# Altium PCB FMC_ADC_250M_16B_4ch_pcb.PcbDoc (part 5 of 8) (continued)
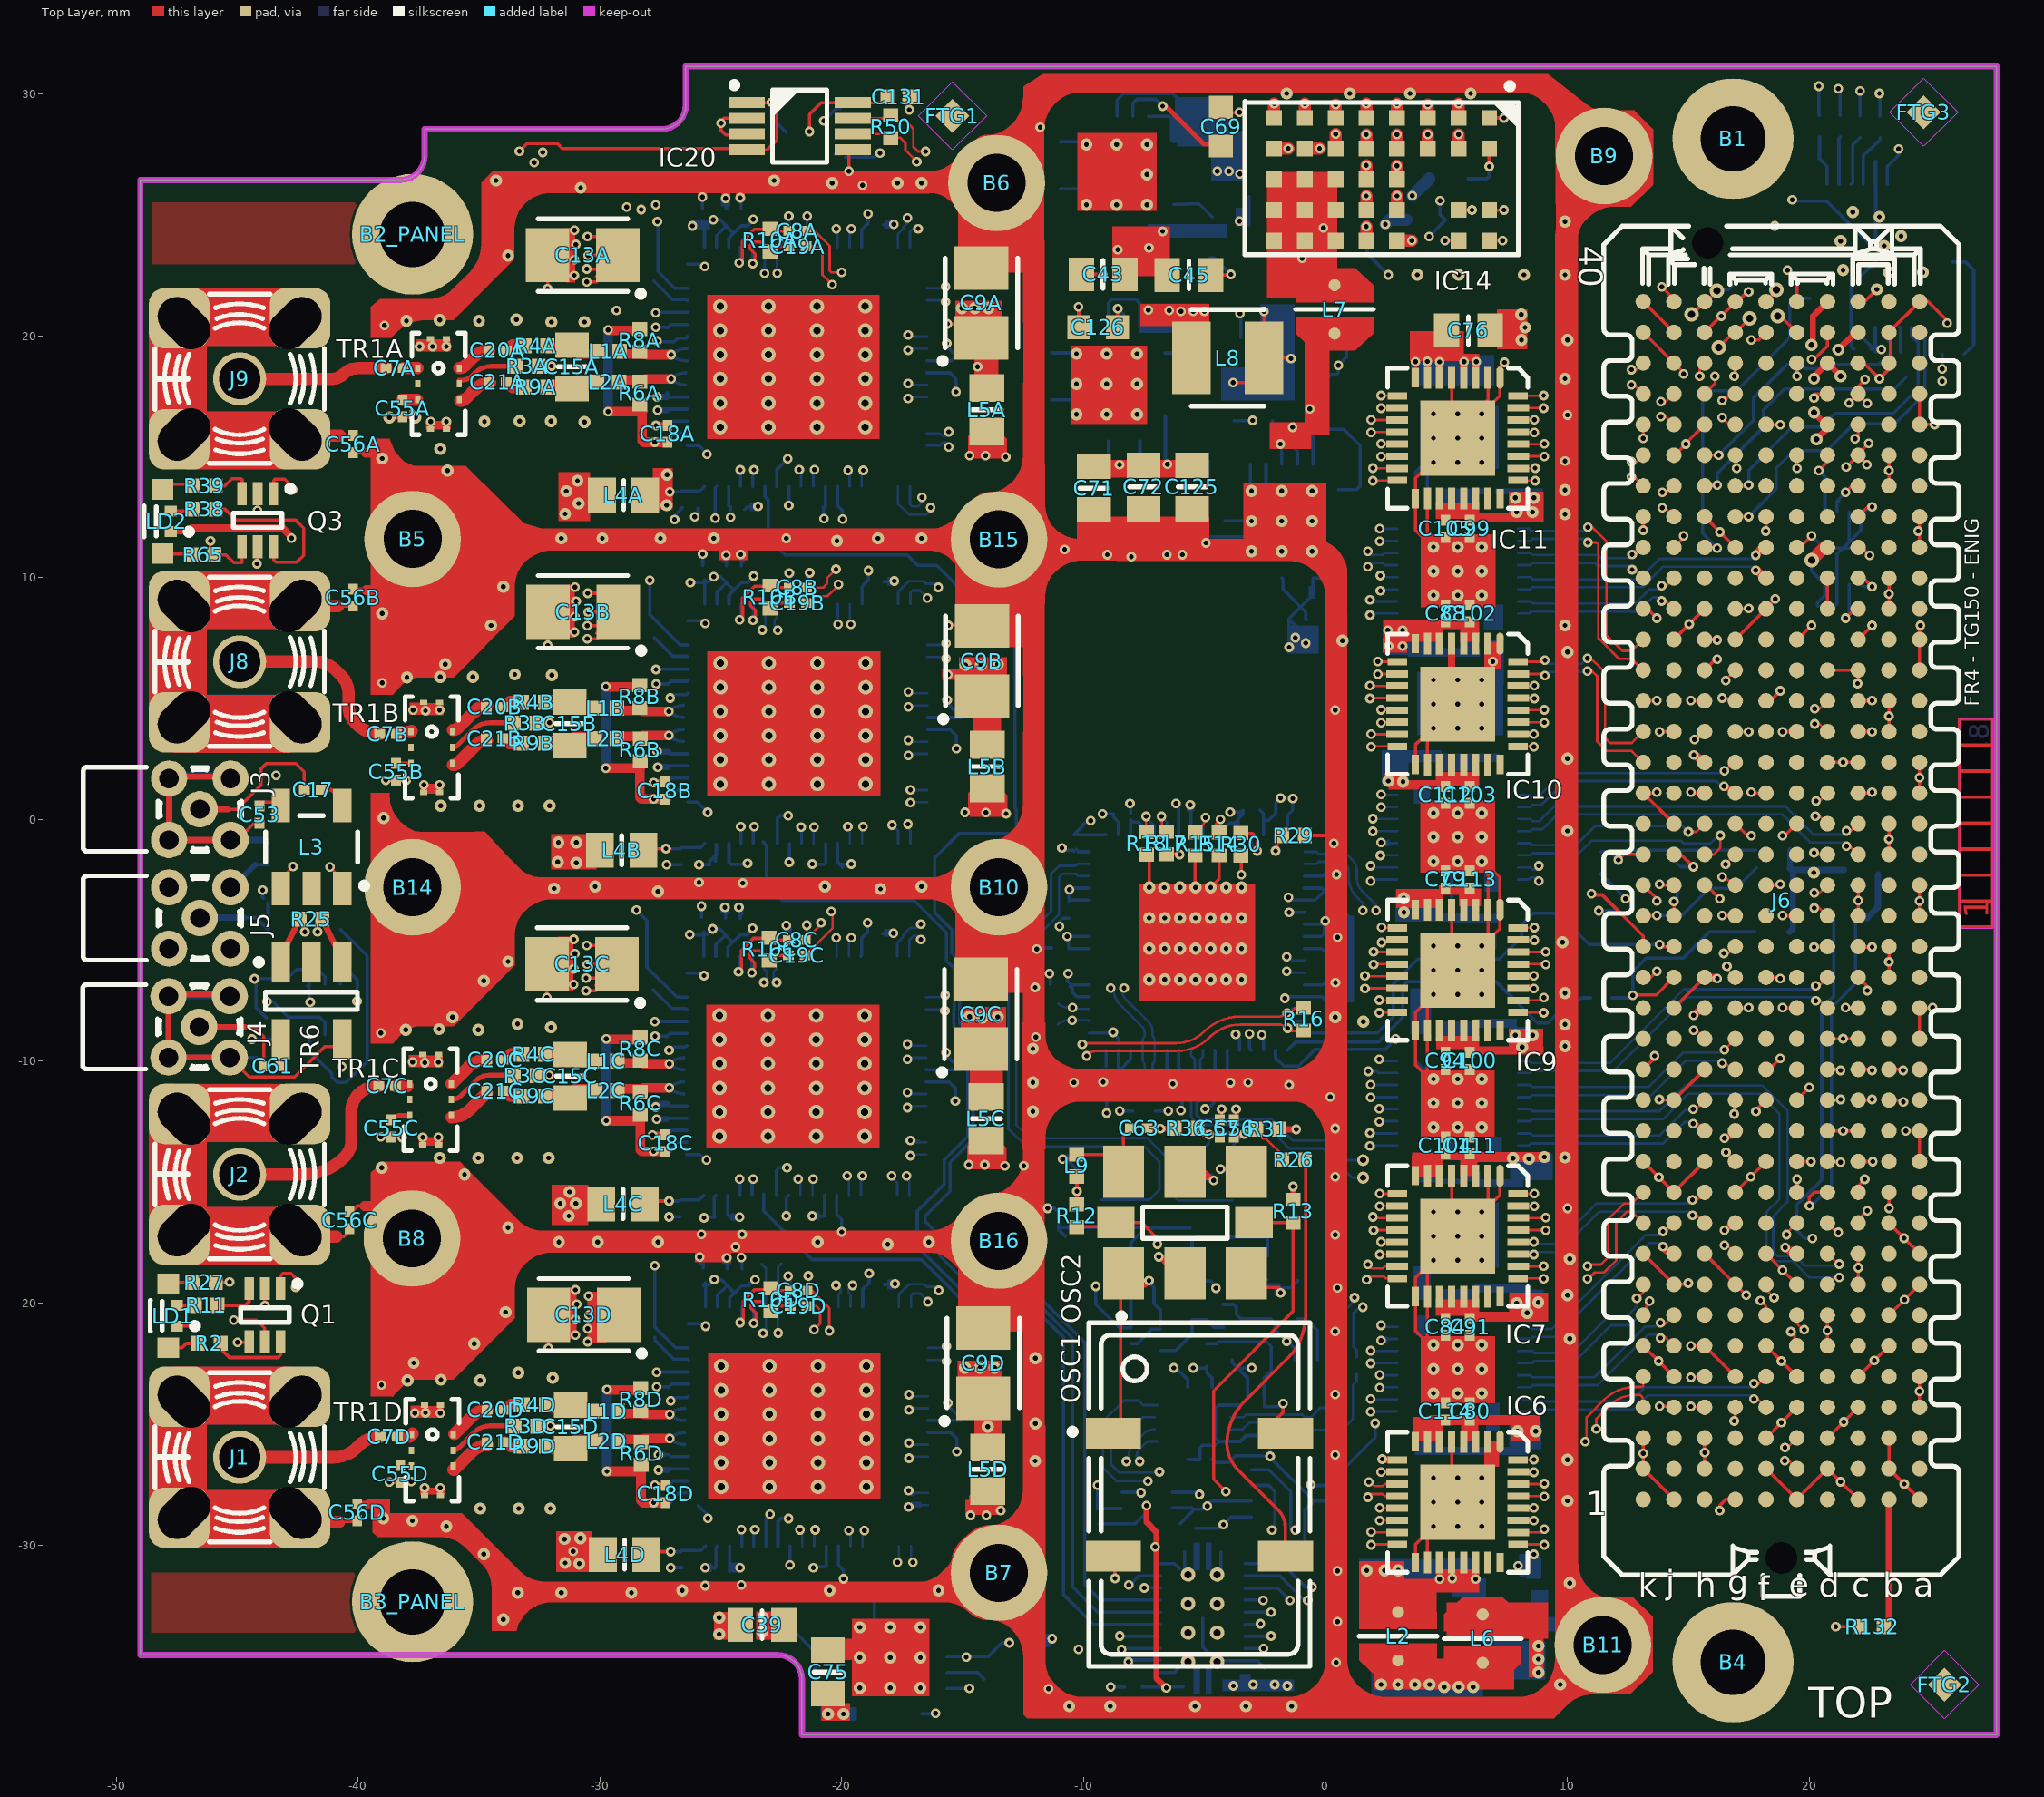
[diagram p0: Top Layer view]
## Nets (pads, with @x,y where several pads share a name; then routed paths per layer and width w, separated by ;. In a path a pad name is that pad's centre, name@x,y a point inside that pad or via, vN(x,y) a via of type N, cw(c..) or ccw(c..) an arc to the next point about the centre after c; other vN are vias at no path point) (continued)
  Bottom Layer w0.135: J5.2@-45.274,-2.805 J5.2@-45.18,-2.805 ; v1(-44.388,-9.079) v1@-44.375,-9.092 ; v1@-44.363,-9.079 -44.341,-9.1 -43.58,-9.1 -43.501,-9.179 -43.346,-9.179 -43.263,-9.262 R28.2@-43.263,-10.008 ; -44.247,-1.872 R24.2@-43.713,-1.872 ; Q2.4@-42.094,-6.875 -42.019,-6.8 -42.019,-7.511 v1(-41.975,-7.555) ; Q2.1@-40.719,-8.9 -40.719,-10.081 v1@-40.705,-10.095 ; v1(-27.821,-13.048) v1@-27.781,-13.008 ; v1@-27.775,1.559 v1(-27.775,1.525) v1@-27.75,1.55 ; v1(-27.722,-8.36) -27.713,-8.35 IC1C.14@-26.403,-8.35 ; v1@-27.7,-11.897 v1(-27.689,-11.897) ; v1(-27.694,20.961) -27.684,20.971 IC1A.14@-26.375,20.971 ; v1(-27.68,6.207) -27.67,6.217 IC1B.14@-26.361,6.217 ; v1(-27.68,16.294) v1@-27.661,16.313 ; v1(-27.652,-22.86) -27.643,-22.85 IC1D.14@-26.333,-22.85 ; v1(-27.635,19.787) -27.61,19.761 -26.924,19.761 -26.773,19.912 -26.433,19.912 IC1A.12@-26.375,19.971 ; v1(-27.575,-26.275) v1@-27.575,-26.167 ; C5D.1@-27.271,-26.269 -27.144,-26.269 -27.063,-26.35 IC1D.7@-26.333,-26.35 ; C5C.1@-27.214,-11.769 -27.133,-11.85 IC1C.7@-26.403,-11.85 ; C5A.1@-27.211,17.475 C5A.1@-27.211,17.552 ; C5A.1@-27.211,17.653 C5A.1@-27.211,17.552 ; -27.2,1.55 -27.033,1.717 IC1B.5@-26.361,1.717 ; -27.183,-13.008 -27.026,-12.85 IC1C.5@-26.403,-12.85 ; C5B.1@-27.172,2.798 -27.091,2.717 IC1B.7@-26.361,2.717 ; -27.155,16.313 -26.997,16.471 IC1A.5@-26.375,16.471 ; v1(-27.135,-9.541) -27.095,-9.541 -27.095,-9.459 -27.044,-9.409 -26.462,-9.409 IC1C.12@-26.403,-9.35 ; -27.113,-27.508 -26.956,-27.35 IC1D.5@-26.333,-27.35 ; v1(-27.093,5.026) -27.052,5.026 -27.052,5.108 -27.001,5.158 -26.419,5.158 IC1B.12@-26.361,5.217 ; v1@-27.082,-16.431 C24C.1@-26.681,-16.431 ; v1(-27.065,-24.041) -27.025,-24.041 -27.025,-23.959 -26.974,-23.909 -26.392,-23.909 IC1D.12@-26.333,-23.85 ; -27.039,-1.865 C24B.1@-26.638,-1.865 ; v1@-27.012,-30.931 C24D.1@-26.611,-30.931 ; v1@-26.964,12.511 -26.585,12.889 C24A.1@-26.653,12.889 ; IC1A.7@-26.375,17.471 -27.105,17.471 -27.186,17.552 C5A.1@-27.211,17.552 ; v1@-25.936,12.534 C6A.1@-25.936,12.864 ; v1(-25.871,-18.096) -25.733,-18.096 -25.722,-18.085 C2D.1@-25.722,-18.547 ; C2C.1@-25.792,-4.047 v1(-25.792,-3.585) ; v1@-25.77,-2.602 -25.739,-2.571 C6B.1@-25.465,-2.571 ; C2A.1@-25.764,25.273 v1(-25.764,25.736) ; C2B.1@-25.749,10.519 v1(-25.749,10.982) ; v1@-25.694,-17.105 -25.648,-17.15 C6C.1@-25.262,-17.15 ; v1(-25.643,-31.685) -25.612,-31.654 C6D.1@-25.236,-31.654 ; v1(-24.827,-3.635) -24.801,-3.661 C4C.1@-24.801,-4.073 ; v1(-24.798,25.685) -24.773,25.66 C4A.1@-24.773,25.248 ; v1(-24.784,10.931) -24.759,10.906 C4B.1@-24.759,10.494 ; v1(-24.757,-18.135) -24.731,-18.161 C4D.1@-24.731,-18.573 ; C133C.1@-24.627,-17.15 -24.201,-17.15 v1@-24.195,-17.156 ; C133D.1@-24.601,-31.654 -24.15,-31.654 v1(-24.144,-31.659) ; C133B.1@-24.525,-2.545 -24.15,-2.545 v1@-24.093,-2.602 ; v1(-24.246,-3.639) -24.217,-3.61 -24.192,-3.635 C3C.1@-24.192,-4.073 ; v1(-24.189,25.711) -24.163,25.685 C3A.1@-24.163,25.248 ; v1(-24.175,10.957) -24.149,10.931 C3B.1@-24.149,10.494 ; v1(-24.147,-18.11) -24.122,-18.135 C3D.1@-24.122,-18.573 ; C133A.1@-24.011,12.813 C133A.1@-23.89,12.935 -23.467,12.935 v1(-23.458,12.943) ; v1(-22.29,-16.394) -22.29,-15.637 IC1C.65@-22.203,-15.55 ; v1(-22.29,-4.38) -22.218,-4.38 -22.211,-4.372 -22.203,-4.379 IC1C.26@-22.203,-5.65 ; v1(-22.214,-18.883) -22.152,-18.883 -22.141,-18.872 -22.133,-18.879 IC1D.26@-22.133,-20.15 ; v1(-22.182,12.985) -22.175,12.993 IC1A.65@-22.175,13.771 ; v1(-22.182,24.949) -22.175,24.942 IC1A.26@-22.175,23.671 ; v1(-22.168,-1.769) -22.161,-1.761 IC1B.65@-22.161,-0.983 ; v1(-22.168,10.195) -22.161,10.188 IC1B.26@-22.161,8.917 ; v1(-22.141,-30.835) -22.133,-30.828 IC1D.65@-22.133,-30.05 ; v1(-20.741,28.894) -20.245,29.39 D1.1@-20.051,29.39 ; IC1C.61@-20.203,-15.55 -20.203,-16.336 -20.001,-16.539 -20.001,-16.843 ; IC1A.61@-20.175,13.771 -20.175,12.985 -19.972,12.782 v1@-19.972,12.477 ; IC1B.61@-20.161,-0.983 -20.161,-1.769 C11B.1@-19.958,-1.972 ; IC1D.61@-20.133,-30.05 -20.133,-30.836 -19.931,-31.039 v1@-19.931,-31.343 ; C11B.1@-20.04,-1.845 v1(-19.603,-1.845) ; v1(-19.14,26.227) -19.115,26.253 C132.2@-19.115,26.69 ; IC24.7@-18.644,-32.275 -18.644,-33.325 -17.994,-33.975 IC24.21@-17.994,-34.625 ; C10C.1@-18.305,-4.728 v1@-17.893,-4.728 ; C10A.1@-18.276,24.593 -17.864,24.593 v1(-17.839,24.619) ; C10B.1@-18.262,9.839 -17.85,9.839 v1(-17.825,9.865) ; C10D.1@-18.235,-19.228 -17.823,-19.228 v1(-17.797,-19.202) ; IC24.10@-16.694,-32.275 -14.619,-32.275 B7.1@-13.494,-31.15 ; IC1C.45@-16.503,-10.35 -15.082,-10.35 -15.683,-9.75 v1(-15.683,-9.63) ; IC1A.45@-16.475,18.971 -15.448,18.971 -15.251,19.168 -15.654,19.571 v1(-15.654,19.691) ; IC1B.45@-16.461,4.217 -15.04,4.217 -15.64,4.817 v1(-15.64,4.937) ; IC1D.45@-16.433,-24.85 -15.012,-24.85 -15.613,-24.25 v1(-15.613,-24.13) ; v1(-12.471,-14.326) -12.027,-14.326 C59.1@-11.773,-14.58 ; C41.2@-12.143,-35.952 v1(-11.444,-35.952) ; C74.2@-12.119,-34.25 -11.669,-34.25 v1(-11.294,-33.875) ; v1(-12.003,-6.942) -11.979,-6.918 R19.2@-11.979,-7.479 ; R20.2@-11.979,-8.479 -11.979,-9.001 v1(-11.978,-9.003) ; v1(-11.938,-5.359) -11.978,-5.32 -11.971,-5.313 C28.1@-11.322,-5.313 ; v1(-11.481,-16.078) -11.201,-16.078 -11.024,-16.256 J7.2@-11.024,-16.969 ; C37.1@-11.379,-6.807 v1@-11.379,-6.479 ; IC16.7@-11.316,17.346 -11.301,17.361 -9.601,17.361 IC16.21@-8.966,17.996 -10.266,19.296 IC16.10@-11.316,19.296 ; v1(-10.998,-4.42) -10.998,-4.242 -11.006,-4.234 -10.85,-4.078 C34.1@-10.6,-4.078 ; IC25.7@-10.961,26.084 -10.95,26.073 -10.084,26.073 -9.423,26.734 IC25.21@-8.89,26.734 ; IC25.10@-10.961,28.034 -10.19,28.034 IC25.21@-8.89,26.734 ; J7.2@-10.746,-17.247 J7.2@-11.024,-16.969 ; v1(-9.703,-0.051) -9.855,-0.051 -10.033,-0.229 -10.033,-0.264 C32.1@-10.394,-0.625 IC2.49@-9.067,-0.625 ; v1(-9.5,-19.304) -9.5,-20.041 -8.515,-21.025 -8.044,-21.025 -8.044,-17.494 J7.2@-7.796,-17.247 -7.44,-16.891 -5.588,-16.891 -5.613,-16.866 -10.92,-16.866 J7.2@-11.024,-16.969 ; v1(-9.423,-27.534) -9.423,-28.478 C129.1@-9.441,-28.495 IC19.2@-8.441,-28.495 ; IC25.21@-9.266,27.417 -8.616,26.767 IC25.21@-7.316,28.067 ; v1(-9.22,0.229) C48.1@-8.757,0.229 -8.757,0.096 -8.558,-0.104 IC2.50@-8.558,-0.634 ; C27.1@-9.188,-10.342 -9.188,-10.852 v1(-9.184,-10.857) ; C27.1@-9.058,-10.211 IC2.32@-9.058,-9.534 ; v1(-9.017,10.947) -9.017,10.897 v1@-8.986,10.866 ; v1(-8.879,-35.876) C25.2@-8.289,-35.876 ; IC25.21@-8.611,26.734 IC25.21@-8.89,26.734 ; v1(-8.497,-12.052) R21.2@-7.958,-12.052 ; R23.2@-7.044,-12.052 v1(-6.492,-12.052) ; IC18.2@-6.819,-35.281 -6.252,-35.281 IC18.25@-5.983,-35.012 ; IC18.11@-6.819,-30.781 -6.227,-30.781 IC18.25@-6.034,-30.974 ; IC2.27@-6.558,-9.534 -6.558,-10.328 C50.1@-6.623,-10.393 -6.623,-10.623 v1(-6.313,-10.933) ; v1(-6.553,10.947) -6.553,10.897 v1@-6.548,10.891 ; v1(-6.172,0.66) -6.058,0.546 IC2.55@-6.058,-0.634 ; v1(-5.918,10.947) v1@-5.898,10.927 ; IC18.12@-5.819,-30.281 -5.819,-31.062 IC18.25@-5.755,-31.126 ; IC4.15@-5.686,-26.468 IC4.14@-5.186,-26.468 -5.186,-25.988 -5.08,-25.883 -4.558,-25.883 -4.4,-25.725 ; J10.2@-5.512,-17.448 C65.1@-5.512,-19.088 -4.737,-19.088 -4.521,-19.304 v1(-4.521,-19.38) ; C130.1@-5.354,-29.312 -4.369,-29.312 -3.896,-28.839 IC26.1@-3.068,-28.839 ; J10.2@-5.336,-17.272 J10.2@-2.386,-17.272 -2.386,-18.034 -2.667,-18.034 -2.667,-18.777 -2.928,-19.037 C64.1@-2.4,-19.037 ; IC18.25@-5.069,-33.031 -5.069,-34.231 -4.519,-34.781 -2.822,-34.781 C33.1@-2.506,-35.097 ; v1(-4.936,11.436) -4.936,11.588 -4.834,11.69 IC17.7@-4.153,11.69 -2.453,11.69 v2(-1.803,12.34) ; C44.2@-4.775,23.218 -4.586,23.218 v1(-3.912,22.543) ; IC18.25@-4.332,-31.075 -4.319,-31.062 IC18.13@-4.319,-30.281 ; IC17.8@-4.153,12.34 v2(-1.803,12.34) ; IC2.22@-4.058,-9.534 -4.058,-10.302 C26.1@-3.916,-10.444 v1@-3.916,-10.882 ; IC4.12@-4,-25.7 -4.025,-25.725 -4.4,-25.725 ; IC4.12@-3.936,-25.718 -3.519,-25.718 -3.277,-25.476 C62.1@-2.865,-25.476 ; C38.2@-3.848,-22.352 -3.848,-22.466 -3.22,-23.094 C52.2@-3.22,-23.901 -3.22,-23.945 -3.493,-24.218 IC4.9@-3.936,-24.218 -4.418,-24.218 -4.55,-24.35 -4.55,-25.575 -4.4,-25.725 ; C128.2@-3.78,16.491 -3.02,16.491 v1(-3.011,16.499) ; v1(-3.556,24.74) -3.15,25.146 C42.2@-3.15,25.756 ; v1(-3.531,20.917) -3.494,20.881 C70.2@-3.494,19.927 ; C38.2@-3.518,-22.682 v1(-3.048,-22.682) ; IC17.11@-3.103,14.69 -3.103,13.64 IC17.21@-2.453,12.99 ; C29.1@-2.698,0.381 -2.558,0.241 -2.558,-0.025 ; C64.1@-2.565,-19.241 -1.894,-19.241 -1.894,-19.375 ; IC2.62@-2.558,-0.634 -2.558,-0.025 ; IC17.12@-2.453,14.69 IC17.21@-2.453,12.99 ; v1(-1.854,0.889) -2.052,0.691 C35.1@-2.052,0.381 -2.052,0.26 -2.337,-0.025 -2.558,-0.025 ; v1(-1.85,-19.576) -1.85,-19.418 -1.894,-19.375 ; C67.1@-1.143,-19.048 -1.143,-19.093 -1.425,-19.375 -2.05,-19.375 -2.05,-19.65 -1.894,-19.65 -1.894,-19.375 ; IC2.12@-0.858,-6.834 -0.118,-6.834 C49.1@-0.025,-6.741 v1(0.416,-6.741) ; IC2.8@-0.858,-4.834 -0.15,-4.834 C47.1@-0.05,-4.734 v1@-0.05,-4.334 ; IC2.7@-0.858,-4.334 v1@-0.05,-4.334 ; IC2.3@-0.858,-2.334 -0.114,-2.334 C31.1@-0.025,-2.245 0.442,-2.245 v1(0.468,-2.272) ; C73.2@-0.268,17.907 0.227,18.403 0.457,18.403 0.533,18.479 v1(0.533,18.784) 0.875,19.125 C36.2@0.875,20.193 ; v1(0,-4.191) -0.05,-4.241 v1@-0.05,-4.334 ; v2(0.711,7.391) 0.849,7.529 C127.1@0.849,8.509 ; v1(1.694,24.517) 1.73,24.481 1.73,23.401 v1(2.606,22.525) ; IC8.17@3.721,-9.229 3.721,-9.979 IC8.0@4.221,-10.479 ; 4.202,14.823 3.721,14.341 IC13.17@3.721,12.771 3.721,11.976 IC13.0@4.253,11.444 ; IC8.18@4.221,-9.229 IC8.0@4.221,-10.479 ; IC13.0@4.456,11.368 4.221,11.603 IC13.18@4.221,12.771 4.221,14.486 v2@4.532,14.797 ; IC12.5@5.221,-3.229 5.221,-0.979 v2(5.471,-0.729) ; v2(5.471,-11.729) v2(4.471,-10.729) IC8.0@4.221,-10.479 ; v1(7.961,-30.872) 7.961,-30.923 8.368,-31.329 C123.2@8.861,-31.329 8.861,-30.578 8.673,-30.389 v1(8.622,-30.389) ; v1(14.406,-3.387) 14.554,-3.24 R44.2@14.554,-2.711 ; v1@18.513,24.486 v1(18.579,24.551) ; v1(19.306,25.625) 19.368,25.563 IC15.10@20.038,25.563 20.738,25.563 IC15.41@22.756,23.544 ; v1(20.106,11.725) 20.606,11.225 IC22.9@21.406,11.225 ; C55.1@21.056,8.825 21.156,8.925 IC22.7@21.156,9.725 21.156,10.975 IC22.9@21.406,11.225 ; IC22.3@21.656,12.725 IC22.9@21.656,11.475 ; C22.1@21.856,19.45 21.738,19.569 IC15.38@21.738,20.363 21.738,22.063 IC15.41@22.988,23.313 IC15.41@22.756,23.544 ; v1(22.506,10.925) 22.206,11.225 IC22.9@21.406,11.225 ; v1@22.506,12.925 22.306,12.725 IC22.4@22.156,12.725 22.156,11.975 IC22.9@21.656,11.475 ; IC15.15@22.738,26.263 22.738,27.206 C23.1@22.756,27.225 IC15.41@22.756,23.544 ; IC17.21@-2.453,12.99 v2(-1.803,12.34) ; IC22.9@21.406,11.225 IC22.9@21.656,11.475
  Bottom Layer w0.245: J5.2@-45.18,-2.805 -44.247,-1.872
  Bottom Layer w0.254: v1@-27.781,-13.008 -27.183,-13.008 ; v1@-27.75,1.55 -27.2,1.55 ; v1(-27.729,-27.529) -27.708,-27.508 -27.113,-27.508 ; v1@-27.706,-11.769 C5C.1@-27.214,-11.769 ; v1@-27.661,16.313 -27.155,16.313 ; v1(-27.635,17.475) C5A.1@-27.211,17.475 ; v1@-27.471,2.798 C5B.1@-27.172,2.798 ; v1@-27.444,-26.269 -27.375,-26.269
  Bottom Layer w0.508: v1(2.481,24.619) 2.659,24.796 C46.2@3.358,24.796 ; v1(3.599,25.8) R43.2@4.297,26.498
  other v1: 0.443,-34.86 0.506,-33.175 -19.926,-31.399 0.506,-31.075 -27.068,-30.937 4.471,-29.229 5.471,-29.229 6.471,-29.229 -4.216,-29.159 4.471,-28.229 5.471,-28.229 6.471,-28.229 4.471,-27.229 5.471,-27.229 6.471,-27.229 0.406,-26.275 -32.05,-25.075 -37.652,-24.542 -37.211,-24.536 0.406,-23.775 -39.029,-23.379 0.406,-21.175 0.506,-19.375 -24.394,-17.675 0.406,-17.175 -25.795,-17.156 -24.119,-17.156 -20.004,-17.054 -27.138,-16.437 10.006,-16.075 0.406,-14.775 0.406,-12.775 0.206,-11.475 -1.494,-10.975 -10.394,-10.875 -3.926,-10.882 -3.194,-10.875 -32.1,-10.575 -40.675,-10.225 -37.236,-10.058 -37.744,-10.033 -39.054,-8.825 -11.405,-6.375 0.506,-4.875 -17.867,-4.702 -24.093,-2.627 -25.897,-2.602 -27.243,-1.865 -27.635,2.819 -32.075,4 -37.211,4.496 -37.719,4.521 0.406,4.525 -39.003,5.653 6.926,6.534 -8.026,10.871 -10.784,11.165 -22.294,11.625 -26.913,12.41 -19.968,12.421 -26.075,12.511 22.606,12.925 9.906,14.825 10.006,16.725 -32,18.75 -37.452,19.558 -36.919,19.558 -38.902,20.436 25.706,20.525 -29.312,21.044 17.506,21.825 -11.794,28.625
  other v2: -10.594,-36.675 -8.894,-36.675 -5.394,-36.675 -3.294,-36.675 -1.394,-36.675 -19.247,-35.907 -17.997,-35.907 -16.747,-35.907 9.706,-35.775 -19.247,-34.657 -17.997,-34.657 -16.747,-34.657 -25.059,-33.691 -19.247,-33.407 -17.997,-33.407 -16.747,-33.407 -33.994,-33.075 -25.059,-33.006 -33.394,-31.975 -31.594,-31.975 -28.694,-31.975 -26.594,-31.875 -20.494,-31.875 -15.994,-31.875 10.106,-31.575 -34.794,-30.375 -36.347,-29.235 -37.75,-29 -38.952,-28.896 -34.952,-28.496 -33.352,-28.496 -32.052,-28.496 10.006,-28.175 -12,-26.525 10.006,-26.475 -11.994,-24.975 4.471,-23.729 5.471,-23.729 6.471,-23.729 -37.952,-23.196 -34.952,-23.196 -36.573,-23.167 -31.952,-23.096 -33.375,-22.875 4.471,-22.729 5.471,-22.729 6.471,-22.729 -37.694,-22.475 -11.994,-22.275 4.471,-21.729 5.471,-21.729 6.471,-21.729 -35.194,-21.675 10.106,-21.475 -33.894,-20.375 10.006,-19.675 4.471,-18.229 5.471,-18.229 6.471,-18.229 10.106,-18.175 -18.094,-17.575 -31.694,-17.475 -30.094,-17.475 -27.594,-17.475 -20.994,-17.475 -16.394,-17.475 4.471,-17.229 5.471,-17.229 6.471,-17.229 -33.794,-16.875 4.471,-16.229 5.471,-16.229 6.471,-16.229 -35.594,-14.675 -39.022,-14.396 -36.622,-13.996 -35.022,-13.996 -33.422,-13.996 -32.122,-13.996 9.906,-13.975 4.471,-12.729 5.471,-12.729 6.471,-12.729 -12.094,-12.075 4.471,-11.729 6.471,-11.729 -12.094,-10.875 5.471,-10.729 6.471,-10.729 -12.094,-9.475 9.906,-9.375 -38.022,-8.696 -35.022,-8.696 -36.643,-8.667 -32.022,-8.596 9.906,-8.475 -33.4,-8.45 -36.094,-8.175 0.406,-8.175 4.471,-7.229 5.471,-7.229 6.471,-7.229 9.906,-7.175 -34.794,-6.675 -7.279,-6.615 -6.644,-6.615 -6.009,-6.615 -5.374,-6.615 -4.739,-6.615 -4.104,-6.615 -3.469,-6.615 4.471,-6.229 5.471,-6.229 6.471,-6.229 -33.794,-5.875 -7.279,-5.345 -6.644,-5.345 -6.009,-5.345 -5.374,-5.345 -4.739,-5.345 -4.104,-5.345 -3.469,-5.345 4.471,-5.229 5.471,-5.229 6.471,-5.229 9.806,-5.075 -7.279,-4.075 -6.644,-4.075 -6.009,-4.075 -5.374,-4.075 -4.739,-4.075 -4.104,-4.075 -3.469,-4.075 -27.594,-2.975 -18.394,-2.875 -31.891,-2.856 -6.658,-2.816 -6.009,-2.805 -4.104,-2.805 -3.469,-2.805 -30.194,-2.775 -20.694,-2.775 -16.694,-2.775 4.471,-1.729 5.471,-1.729 6.471,-1.729 4.471,-0.729 6.471,-0.729 10.006,-0.475 -38.938,0.064 4.471,0.271 5.471,0.271 6.471,0.271 -36.579,0.571 -34.979,0.571 -33.379,0.571 -32.079,0.571 10.006,2.525 4.471,3.771 5.471,3.771 6.471,3.771 4.471,4.771 5.471,4.771 6.471,4.771 4.471,5.771 5.471,5.771 6.471,5.771 -37.979,5.871 -36.601,5.9 -35.25,5.9 -31.979,5.971 -33.511,6 -36.394,6.425 10.006,6.925 -34.494,8.025 9.906,8.025 -38.994,8.525 4.471,9.271 5.471,9.271 6.471,9.271 -33.994,9.625 4.471,10.271 5.471,10.271 6.471,10.271 -3.053,11.09 -1.803,11.09 -0.553,11.09 4.471,11.271 5.471,11.271 6.471,11.271 -20.194,11.525 -31.594,11.625 -29.894,11.625 -27.494,11.625 -25.294,11.625 -18.494,11.625 -16.694,11.625 -3.053,12.34 -0.553,12.34 9.906,12.625 -3.053,13.59 -1.803,13.59 -0.553,13.59 9.906,13.625 -36.294,14.425 4.471,14.771 5.471,14.771 6.471,14.771 -38.994,14.925 -36.594,15.325 4.471,15.771 6.471,15.771 -30.632,16.434 -34.773,16.459 -33.317,16.468 -32.017,16.468 -10.294,16.759 -9.044,16.759 -7.794,16.759 4.471,16.771 6.471,16.771 -10.294,18.009 -9.044,18.009 -7.794,18.009 9.906,18.225 -10.294,19.259 -9.044,19.259 -7.794,19.259 8.106,19.825 10.006,19.825 8.255,20.345 -32.004,20.574 -30.632,20.574 -37.994,20.625 -34.994,20.625 -36.615,20.654 -33.45,20.675 8.103,20.879 3.806,22.525 5.506,22.525 8.206,22.525 9.906,22.525 23.306,22.625 24.706,22.625 21.406,22.725 -33.794,23.325 23.106,23.725 21.306,23.925 23.806,24.125 9.906,24.725 22.906,24.925 21.806,25.125 -9.88,25.421 -8.63,25.421 -7.38,25.421 -30.794,26.125 -20.394,26.325 -17.694,26.325 -16.694,26.325 -34.294,26.425 -22.794,26.425 -7.38,26.671 -9.88,27.921 -8.63,27.921 -7.38,27.921 -1.594,30.025 1.006,30.025 3.506,30.025 6.006,30.025
HA08_N: J6.f11
HA08_P: J6.f10
HA10_N: J6.k14
HA10_P: J6.k13
HA11_N: J6.j13
HA11_P: J6.j12
HA12_P: J6.f13
HA13_N: J6.e13
HA14_N: J6.j16
HA15_N: J6.f17
HA15_P: J6.f16
HA16_N: J6.e16
HA16_P: J6.e15
HA17_CC_N: J6.k17
HA17_CC_P: J6.k16
HA19_N: J6.f20
HA19_P: J6.f19
HA20_N: J6.e19
HA20_P: J6.e18
HB01_N: J6.j25
HB01_P: J6.j24
HB02_N: J6.f23
HB02_P: J6.f22
HB03_N: J6.e22
HB03_P: J6.e21
HB04_N: J6.f26
HB04_P: J6.f25
HB05_N: J6.e25
HB05_P: J6.e24
HB07_N: J6.j28
HB07_P: J6.j27
HB08_N: J6.f29
HB08_P: J6.f28
HB09_N: J6.e28
HB09_P: J6.e27
HB13_N: J6.e31
HB13_P: J6.e30
HB16_N: J6.f35
HB16_P: J6.f34
HB19_N: J6.e34
HB19_P: J6.e33
HB20_N: J6.f38
HB20_P: J6.f37
HB21_N: J6.e37
HB21_P: J6.e36
IN1: C7D.2 J1.1 | length 6.1
  Top Layer w0.508: J1.1@-44.894,-26.375 -40.999,-26.375 ccw(c-40.999,-25.041) -40.056,-25.984 -39.967,-25.896 cw(c-39.077,-26.786) C7D.2@-39.077,-25.527
IN2: C7C.2 J2.1 | length 8.2
  Top Layer w0.508: J2.1@-44.894,-14.675 -42.259,-14.675 ccw(c-42.259,-12.285) -40.569,-13.975 ccw(c-41.296,-13.248) -40.267,-13.248 -40.267,-12.032 cw(c-39.34,-12.032) -39.996,-11.376 cw(c-39.152,-12.219) -39.152,-11.027 C7C.2@-39.147,-11.027
IN3: C7B.2 J8.1 | length 7.6
  Top Layer w0.508: J8.1@-44.894,6.525 -41.735,6.525 cw(c-41.735,5.407) -40.945,6.198 -40.686,5.939 cw(c-41.393,5.232) -40.394,5.232 -40.394,4.699 ccw(c-39.369,4.699) -40.094,3.975 -40.051,3.932 ccw(c-39.104,4.878) C7B.2@-39.104,3.54
IN4: C7A.2 J9.1 | length 6.4
  Top Layer w0.135: J9.1@-44.894,18.225 cw(c-44.727,18.058) J9.1@-44.727,18.294
  Top Layer w0.508: J9.1@-44.894,18.225 -41.037,18.225 ccw(c-41.037,18.787) -40.64,18.39 cw(c-39.965,17.715) -39.965,18.669 C7A.2@-38.831,18.669
IPTAT1: IC1D.16 R32.2 | length 101.8
  L5 w0.123: v1(-28.894,25.325) -28.894,25.792 -26.935,27.75 -21.135,27.75 -18.076,30.809 19.922,30.809 v1(20.406,30.325)
  L3 w0.127: v1(-28.894,25.325) -28.897,25.322 -28.897,-3.566 -28.9,-3.569 -28.9,-17.277 v1(-27.726,-18.451)
  Bottom Layer w0.135: v1(-27.726,-18.451) -27.726,-20.992 -26.868,-21.85 IC1D.16@-26.333,-21.85 ; v1(20.406,30.325) 20.406,29.15 R32.2@20.431,29.125
IPTAT2: IC1C.16 R33.2 | length 87.5
  L5 w0.123: v1(-28.294,25.225) -28.294,26.003 -26.821,27.475 -21.021,27.475 -17.947,30.549 19.597,30.549 20.235,29.911 21.011,29.911 21.206,30.106 v1(21.206,30.225)
  L3 w0.127: v1(-28.488,-3.745) -28.488,25.031 v1(-28.294,25.225)
  Bottom Layer w0.135: v1(-28.488,-3.745) -28.056,-4.177 -28.056,-6.107 -26.813,-7.35 IC1C.16@-26.403,-7.35 ; v1(21.206,30.225) 21.281,30.15 R33.2@21.281,29.125
IPTAT3: IC1B.16 R34.2 | length 74
  L5 w0.123: v1(-27.694,25.425) -27.694,26.214 -26.708,27.2 -20.908,27.2 -17.849,30.259 -3.528,30.259 -2.477,29.209 5.99,29.209 7.041,30.259 19.498,30.259 20.121,29.636 21.736,29.636 22.106,30.006 v1(22.106,30.125)
  L3 w0.127: v1(-27.929,9.895) -28.118,10.084 -28.118,24.801 -27.694,25.225 v1(-27.694,25.425)
  Bottom Layer w0.135: v1(-27.929,9.895) -27.929,8.472 -26.673,7.217 IC1B.16@-26.361,7.217 ; R34.2@22.106,29.1 v1(22.106,30.125)
IPTAT4: IC1A.16 R35.2 | length 59.9
  L5 w0.123: v1@-27.701,24.701 -27.517,24.701 -27.28,24.939 -27.28,26.239 -26.594,26.925 -20.794,26.925 -17.735,29.984 -3.57,29.984 -2.57,28.984 6.466,28.984 7.465,29.984 19.384,29.984 20.007,29.361 22.336,29.361 22.906,29.931 v1(22.906,30.025)
  Bottom Layer w0.135: v1@-27.701,24.701 -27.517,24.701 -27.494,24.725 -27.589,24.82 -27.599,24.82 -27.599,22.66 -26.909,21.971 IC1A.16@-26.375,21.971 ; v1(22.906,30.025) 22.931,30 R35.2@22.931,29.1
  other v1: -27.625,24.725
LA00_CC_N: J6.g7
LA00_CC_P: J6.g6
LA02_N: J6.h8
LA02_P: J6.h7
LA05_P: D3.2 J6.d11 R75.1 | length 16.4
  Top Layer w0.135: v1(20.015,-15.977) 20.015,-15.621 20.221,-15.415 J6.d11@20.761,-15.415
  Bottom Layer w0.135: v1(20.015,-15.977) 20.098,-15.977 20.925,-15.15 20.925,-7.775 21.925,-6.775 R75.1@21.925,-4.075
  Bottom Layer w0.254: R75.1@21.925,-4.075 22.4,-4.075 22.85,-3.625 D3.2@22.85,-2.275
LA15_N: J6.h20
LA15_P: J6.h19
LA24_N: J6.h29 Q1.5 | length 156.2
  Top Layer w0.135: v1(-45.136,-20.701) -44.196,-20.701 -43.855,-21.042 Q1.5@-43.855,-21.615 ; J6.h29@15.681,7.445 16.186,7.445 v1(16.206,7.425)
  L3 w0.127: v1(-45.136,-20.701) -44.45,-20.015 -44.45,-18.186 -44.723,-17.914 -44.723,-16.957 -46.387,-15.293 -46.387,-14.057 -45.422,-13.092 -45.422,-12.197 -43.16,-9.935 -43.16,-7.283 -43.384,-7.059 -43.384,-3.547 -43.104,-3.268 -43.104,-2.574 -43.384,-2.295 -43.384,0.906 -42.849,1.441 -42.849,2.133 -43.028,2.311 -43.838,2.311 -45.008,3.482 -45.008,4.528 -46.387,5.907 -46.387,7.185 -45.412,8.159 -45.412,16.582 -46.428,17.597 -46.428,18.852 -44.98,20.3 -44.98,21.692 -43.863,22.808 -40.358,22.808 -39.839,22.29 -36.46,22.29 -31.42,27.33 -23.945,27.33 -21.226,30.049 -7.017,30.049 -7.013,30.053 -3.411,30.053 -2.303,28.945 6.193,28.945 7.113,29.866 11.984,29.866 15.625,26.225 22.701,26.225 26.577,22.349 26.577,7.396 26.306,7.125 16.806,7.125 16.506,7.425 v1(16.206,7.425)
LA24_P: J6.h28 Q2.2 | length 143
  Top Layer w0.135: J6.h28@15.681,6.175 16.131,6.625 v1(16.206,6.625)
  L3 w0.127: -7.113,30.281 -3.316,30.281 -2.242,29.207 6.132,29.207 7.206,30.281 19.056,30.281 26.856,22.481 26.856,6.675 26.528,6.346 16.485,6.346 v1(16.206,6.625)
  L3 w0.135: v1(-43.761,-7.532) -43.852,-7.441 -43.852,-3.353 -43.573,-3.074 -43.573,-2.768 -43.852,-2.489 -43.852,1.993 -45.241,3.381 -45.241,4.432 -46.619,5.81 -46.619,7.281 -45.695,8.205 -45.695,16.535 -46.66,17.501 -46.66,18.948 -45.212,20.396 -45.212,21.788 -43.937,23.063 -40.284,23.063 -39.751,22.53 -36.549,22.53 -31.516,27.562 -24.041,27.562 -21.322,30.281 -7.113,30.281
  Bottom Layer w0.135: v1(-43.761,-7.532) -43.704,-7.475 -43.581,-7.475 -42.881,-8.175 -41.594,-8.175 -41.369,-8.4 Q2.2@-41.369,-8.9
LA28_N: IC15.2 J6.h32 | length 14.1
  Top Layer w0.135: J6.h32@15.681,11.255 16.276,11.255 16.246,11.225 v1(16.206,11.225)
  Bottom Layer w0.135: v1(16.206,11.225) 15.606,11.825 15.606,17.425 15.906,17.725 17.006,17.725 19.206,19.925 19.206,21.325 19.444,21.563 IC15.2@20.038,21.563
LA28_P: J6.h31
LA29_N: J6.g31
LA29_P: J6.g30 Q1.2 | length 151.8
  Top Layer w0.135: Q1.2@-43.855,-19.515 Q1.2@-43.852,-19.512 ; Q1.2@-43.852,-19.4 Q1.2@-43.852,-19.512 ; v1(-43.85,-20.1) -43.852,-20.098 Q1.2@-43.852,-19.512 ; Q1.2@-43.84,-19.5 Q1.2@-43.852,-19.512 ; J6.g30@16.951,8.715 17.596,8.715 17.586,8.725 v1(17.506,8.725)
  L3 w0.127: -43.852,-19.037 -43.852,-20.098 v1(-43.85,-20.1) ; -43.85,-19.029 -43.85,-18.431 -44.475,-17.805 -44.475,-16.882 -46.158,-15.199 -46.158,-14.151 -45.418,-13.41 -45.414,-13.41 -45.194,-13.19 -45.194,-12.291 -42.932,-10.029 -42.932,-7.189 -43.155,-6.966 -43.155,-3.641 -42.876,-3.362 -42.876,-2.48 -43.155,-2.201 -43.155,0.813 -42.621,1.346 -42.621,2.235 -42.977,2.591 -43.764,2.591 -44.78,3.607 -44.78,4.623 -46.158,6.001 -46.158,7.091 -45.184,8.065 -45.184,16.676 -46.199,17.691 -46.199,18.758 -44.752,20.206 -44.752,21.597 -43.78,22.569 -40.441,22.569 -39.919,22.047 -36.37,22.047 -31.315,27.102 -23.851,27.102 -21.132,29.821 -7.566,29.821 -6.882,29.138 -4.088,29.138 -3.667,28.717 6.299,28.717 7.01,29.428 12.099,29.428 15.531,25.997 22.535,25.997 26.298,22.233 26.298,8.117 25.791,7.609 18.122,7.609 17.506,8.225 v1(17.506,8.725)
LA30_N: IC15.35 J6.h35 | length 11.2
  Top Layer w0.135: J6.h35@15.681,15.065 v1(16.266,15.065)
  Bottom Layer w0.135: v1(16.266,15.065) 17.694,16.492 17.694,17.418 19.1,18.825 19.65,18.825 19.825,18.65 20.731,18.65 20.906,18.825 22.906,18.825 23.358,19.277 23.358,19.725 23.238,19.846 IC15.35@23.238,20.363
LA30_P: J6.h34 R46.1 | length 10.9
  Top Layer w0.135: J6.h34@15.681,13.795 16.176,13.795 v1(16.206,13.825)
  Bottom Layer w0.135: v1(16.206,13.825) 16.206,14.319 18.106,16.219 18.106,16.925 18.987,17.806 23.537,17.806 R46.1@24.006,18.275
LA31_N: IC15.33 J6.g34 | length 12
  Top Layer w0.135: J6.g34@16.951,13.795 17.476,13.795 v1(17.506,13.825)
  Bottom Layer w0.135: 17.506,14.025 17.506,14.431 19.3,16.225 20.506,16.225 21.072,16.79 23.472,16.79 24.506,17.825 24.506,19.725 24.238,19.994 IC15.33@24.238,20.363
LA31_P: IC15.32 J6.g33 | length 13.2
  Top Layer w0.135: J6.g33@16.951,12.525 v1(17.506,12.525)
  Bottom Layer w0.135: v1(17.506,12.525) 18.637,13.655 18.637,14.525 19.367,15.255 20.737,15.255 21.837,16.355 23.537,16.355 24.794,17.612 24.794,20.307 IC15.32@24.738,20.363
LA33_N: IC20.7 J6.g37 R50.1 | length 43.7
  Top Layer w0.102: IC20.7@-19.506,28.997 -18.276,28.997 R50.1@-18.15,29.123 ; R50.1@-17.969,29.1 -17.762,28.894 -17.364,28.894 -17.037,28.566 -17.037,27.816 -16.845,27.624 v1(-16.524,27.624) ; v1(16.406,17.325) 16.406,17.225 16.786,17.605 J6.g37@16.951,17.605
  L3 w0.102: v1(-16.524,27.624) -16.219,27.624 -15.915,27.929 -15.087,28.757 -12.586,28.757 -10.955,27.125 -9.67,27.125 -8.72,26.175 -1.607,26.175 -0.665,25.233 -0.665,23.725 -0.384,23.444 -0.384,23.439 0.892,22.163 1.93,21.125 6.23,21.125 7.318,20.037 7.318,20.035 8.106,19.246 13.415,19.246 15.636,17.025 16.006,17.025 16.206,17.225
LA33_P: IC20.6 J6.g36 R50.2 | length 43.5
  Top Layer w0.102: IC20.6@-19.506,28.347 -18.136,28.347 R50.2@-17.997,28.208 ; R50.2@-17.969,28.2 -17.596,28.2 -17.367,27.97 -17.367,27.679 v1(-16.894,27.206) ; v1(16.406,16.625) 16.696,16.335 J6.g36@16.951,16.335
  L3 w0.102: v1(-16.894,27.206) -16.314,27.206 -14.992,28.528 -12.681,28.528 -11.049,26.896 -9.765,26.896 -8.815,25.946 -1.702,25.946 -0.894,25.138 -0.894,23.625 -0.824,23.556 -0.819,23.556 -0.613,23.349 -0.613,23.344 0.389,22.342 ; 0.406,22.325 1.835,20.896 6.135,20.896 7.089,19.942 7.089,19.94 8.012,19.018 13.32,19.018 15.542,16.796 16.006,16.796 16.178,16.625 v1(16.406,16.625)
NetC7A_1: C7A.1 TR1A.1 | length 0.6
  Top Layer w0.508: C7A.1@-38.1,18.665 TR1A.1@-37.533,18.665
NetC7B_1: C7B.1 TR1B.1 | length 0.7
  Top Layer w0.508: C7B.1@-38.404,3.54 -38.313,3.631 TR1B.1@-37.811,3.631 TR1B.1@-37.784,3.658
NetC7C_1: C7C.1 TR1C.1 | length 0.5
  Top Layer w0.508: C7C.1@-38.447,-11.027 TR1C.1@-37.945,-11.027
NetC7D_1: C7D.1 TR1D.1 | length 0.7
  Top Layer w0.508: C7D.1@-38.377,-25.527 -37.875,-25.527 TR1D.1@-37.783,-25.436 TR1D.1@-37.748,-25.4
NetC15A_1: C15A.1 L2A.1 R9A.2 | length 1.7
  Top Layer w0.4: R9A.2@-32.033,17.983 C15A.1@-31.242,17.983 ; C15A.1@-30.937,18.186 L2A.1@-30.038,18.186
NetC15A_2: C15A.2 L1A.1 R4A.2 | length 1.7
  Top Layer w0.4: R4A.2@-32.118,19.482 C15A.2@-31.318,19.482 ; C15A.2@-30.887,19.253 L1A.1@-29.988,19.253
NetC15B_1: C15B.1 L2B.1 R9B.2 | length 1.8
  Top Layer w0.4: R9B.2@-32.251,3.262 C15B.1@-31.337,3.262 ; C15B.1@-31.057,3.44 L2B.1@-30.158,3.44
NetC15B_2: C15B.2 L1B.1 R4B.2 | length 1.7
  Top Layer w0.4: R4B.2@-32.214,4.736 C15B.2@-31.413,4.736 ; C15B.2@-31.007,4.507 L1B.1@-30.108,4.507
NetC15C_1: C15C.1 L2C.1 R9C.2 | length 1.7
  Top Layer w0.4: R9C.2@-32.132,-11.312 C15C.1@-31.319,-11.312 ; C15C.1@-31.039,-11.134 L2C.1@-30.14,-11.134
NetC15C_2: C15C.2 L1C.1 R4C.2 | length 1.7
  Top Layer w0.4: R4C.2@-32.164,-9.839 C15C.2@-31.395,-9.839 ; C15C.2@-30.989,-10.067 L1C.1@-30.09,-10.067
NetC15D_1: C15D.1 L2D.1 R9D.2 | length 1.8
  Top Layer w0.4: R9D.2@-32.174,-25.812 C15D.1@-31.294,-25.812 ; C15D.1@-31.014,-25.634 L2D.1@-30.115,-25.634
NetC15D_2: C15D.2 L1D.1 R4D.2 | length 1.6
  Top Layer w0.4: R4D.2@-32.1,-24.339 C15D.2@-31.37,-24.339 ; C15D.2@-30.964,-24.567 L1D.1@-30.065,-24.567
NetC17_1: C17.1 L3.5 | length 1
  Top Layer w0.135: C17.1@-41.523,1.234 -41.111,1.234 L3.5@-40.68,0.802
NetC17_2: C17.2 J3.1 | length 6.4
  Top Layer w0.135: J3.1@-46.541,0.425 J3.1@-46.156,0.425 ; -45.385,0.425 -45,0.425 -44.018,1.407 -44.018,2.083 -43.79,2.311 -42.561,2.311 -42.223,1.973 -42.223,1.894 C17.2@-42.223,1.234
  Top Layer w0.254: J3.1@-46.156,0.425 -45.385,0.425
NetC20A_1: C20A.1 TR1A.8 | length 1.5
  Top Layer w0.508: TR1A.8@-35.817,18.669 ccw(c-35.817,19.045) -35.551,18.779 -35.171,19.159 cw(c-34.577,18.564) C20A.1@-34.577,19.406
NetC20A_2: C20A.2 R4A.1 | length 0.9
  Top Layer w0.4: C20A.2@-33.877,19.406 -33.623,19.66 R4A.1@-33.096,19.66
NetC20B_1: C20B.1 TR1B.8 | length 1.8
  Top Layer w0.508: TR1B.8@-36.068,3.704 ccw(c-36.068,4.002) -35.858,3.791 -35.11,4.54 cw(c-34.671,4.101) C20B.1@-34.671,4.721